# Altium PCB Stabilizer.PCBDOC (part 7 of 8)
Units mil, origin at the board's own origin, x right, y up, seen from the top; angles counter-clockwise.
Board outline 6397 x 3937 mil, 4 copper layers (Top, GP1(GND), L3, Bot), stack 64.883 mil thick; 687 components, 419 nets, 2137 pads, 1042 vias.
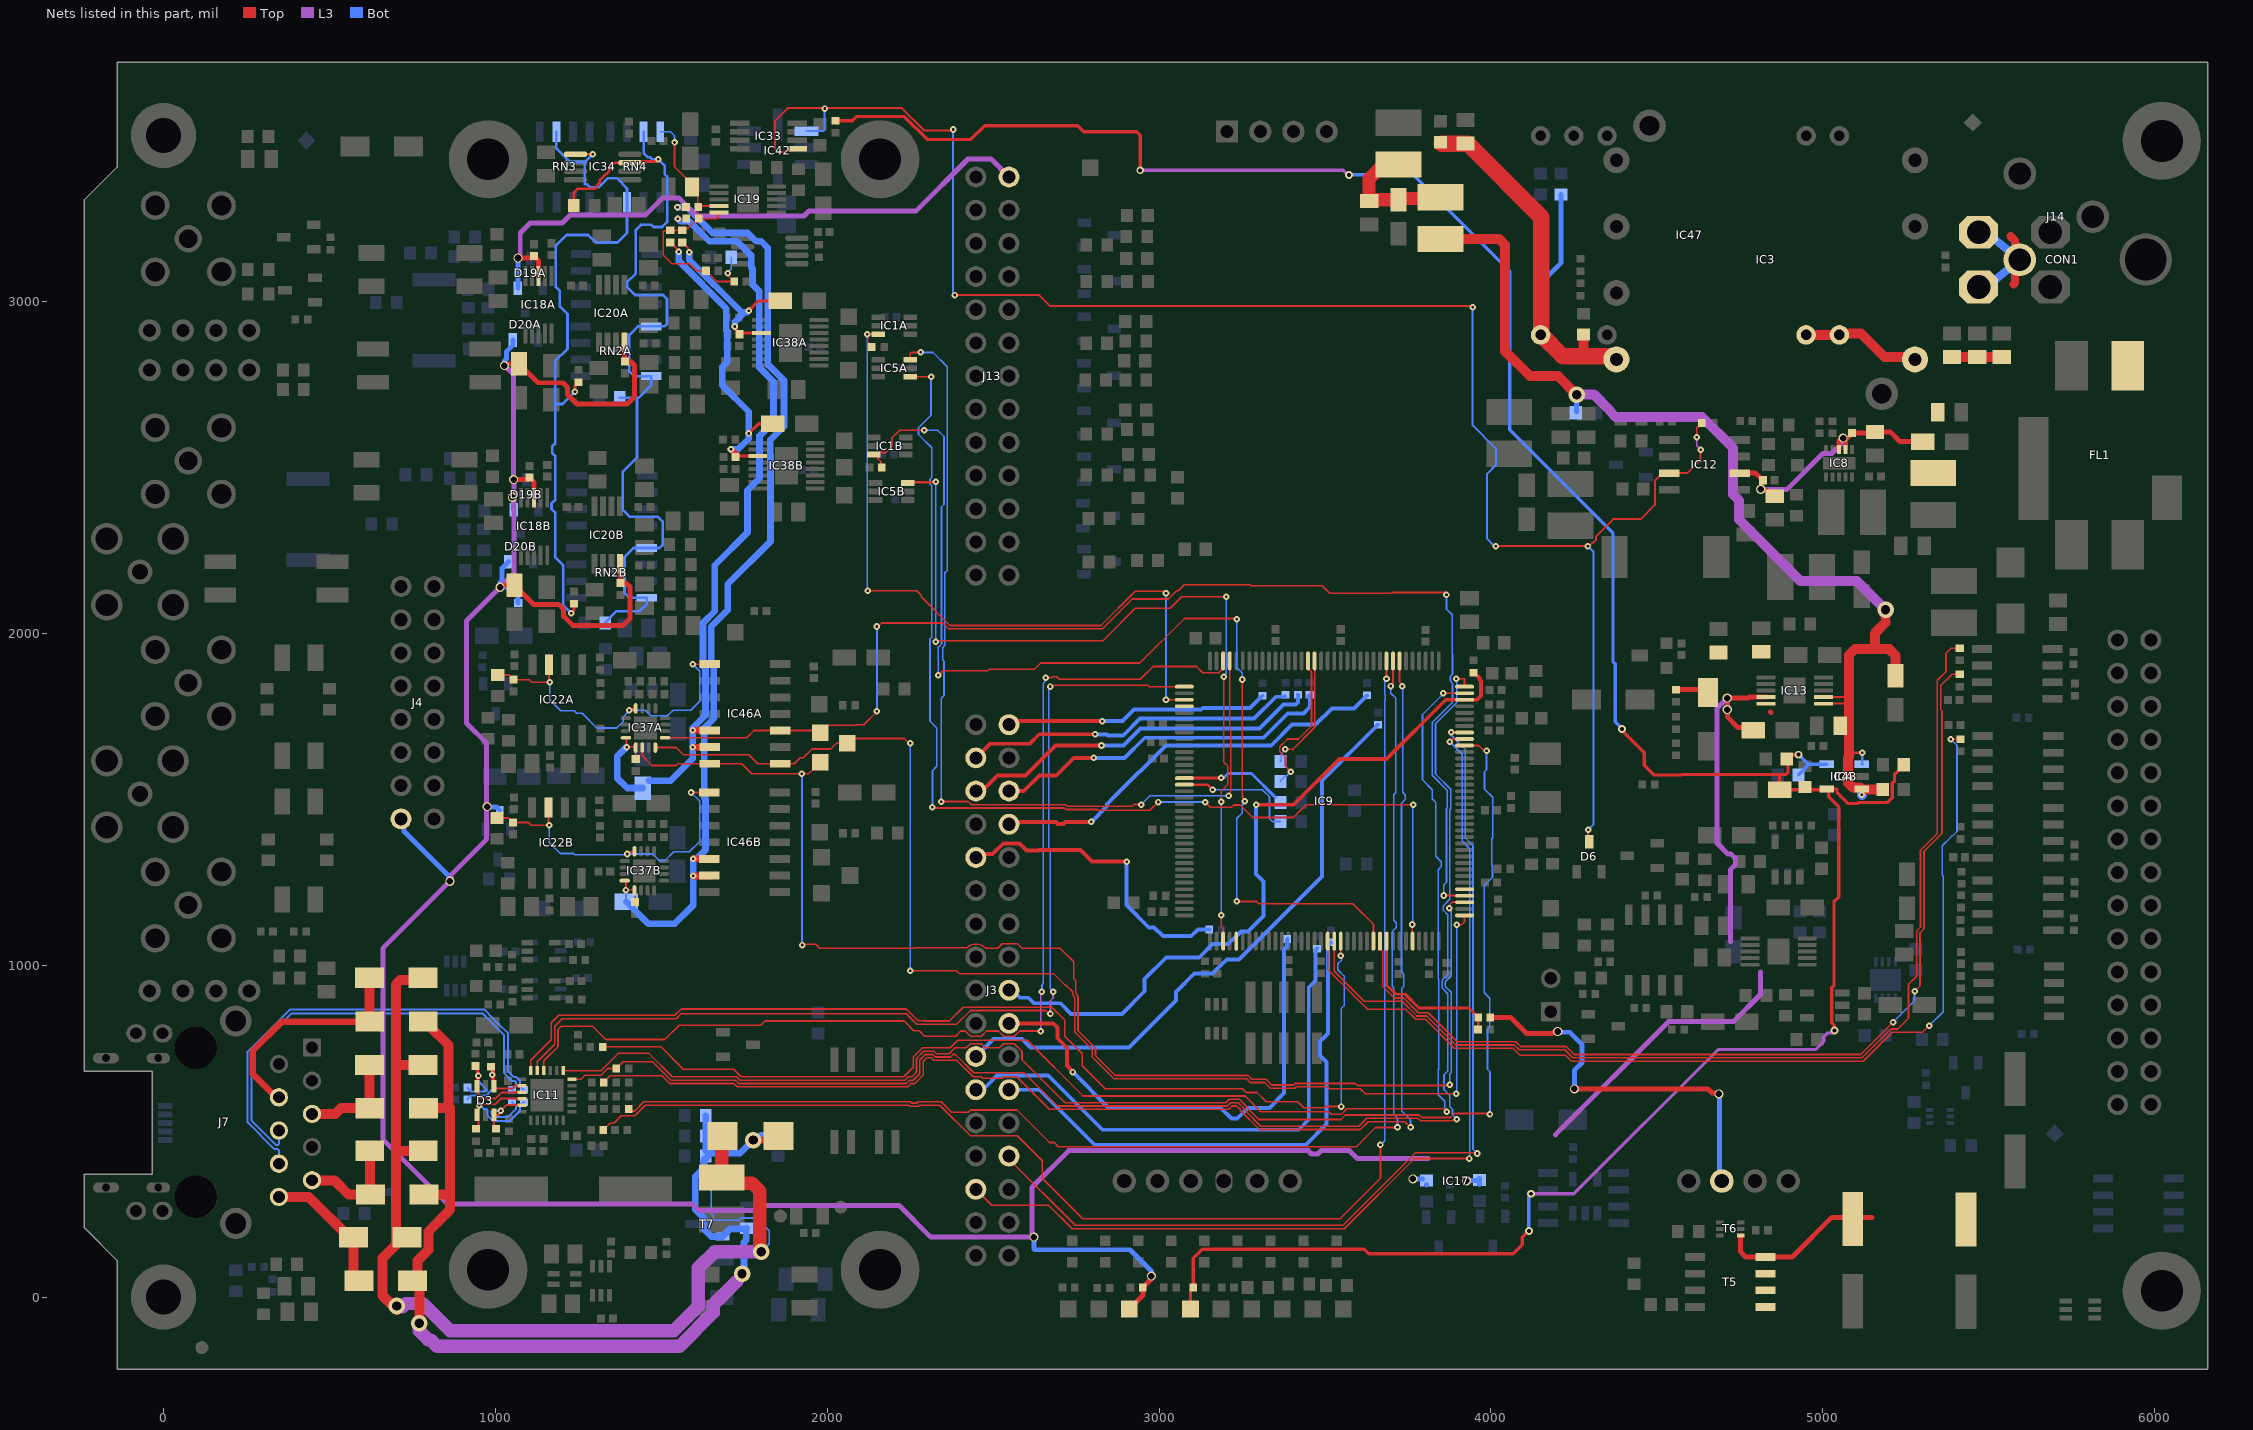
[diagram p9: the nets of this part, all layers, seen from the top]

## Via types
v1: diameter 19.68, hole 7.87, Top to Bot, tented both sides, 826 vias
v2: diameter 27.56, hole 19.68, Top to Bot, tented both sides, 83 vias
v3: diameter 19.68, hole 7.87, Top to Bot, 49 vias
v4: diameter 23.62, hole 11.81, Top to Bot, tented both sides, 41 vias
v5: diameter 50, hole 28, Top to Bot, tented both sides, 37 vias
v6: diameter 25.98, hole 12.99, Top to Bot, tented both sides, 5 vias
v7: diameter 39.37, hole 23.62, Top to Bot, tented both sides, 1 vias

## Nets (pads, with @x,y where several pads share a name; then routed paths per layer and width w, separated by ;. In a path a pad name is that pad's centre, name@x,y a point inside that pad or via, vN(x,y) a via of type N, cw(c..) or ccw(c..) an arc to the next point about the centre after c; other vN are vias at no path point) (continued)
P12V0A: C51.1 C62.2 C127A.1 C127B.1 C128A.2 C128B.2 C132A.2 C132B.2 C157.2 D8.1 D19A.2 D19B.2 D20A.2 D20B.2 IC13.9 IC13.10 IC18A.8 IC18B.8 IC20A.8 IC20B.8 J4.15 J13.25 L2A.1 L2B.1 R21.2 R70.2 R71.2 R103.2 TP21.1 | length 12681
  Top w15: v2(1014.2,2138.89) 1019.67,2144.36 C127B.1@1057.91,2144.36 1115.16,2087.11 1190.78,2087.11 1206.03,2071.86 1206.03,2051.28 1234.31,2023 1383.98,2023 1406.14,2045.16 1406.14,2139.31 1394.2,2151.25 C132B.2@1377.04,2151.25 1375.57,2152.72 IC20B.8@1375.57,2209.61 ; v2(1027.37,2806.79) 1032.84,2812.26 C127A.1@1071.08,2812.26 1128.32,2755.01 1203.95,2755.01 1217.58,2741.38 1217.58,2719.19 1245.86,2690.9 1397.15,2690.9 1419.31,2713.06 1419.31,2807.21 1407.37,2819.15 C132A.2@1390.2,2819.15 1388.73,2820.62 IC20A.8@1388.73,2877.51 ; v2(1055.06,2463) 1096.79,2463 C128B.2@1102.79,2469 1116.96,2454.83 IC18B.8@1116.96,2408.77 ; v2(1068.22,3130.9) 1109.96,3130.9 C128A.2@1115.96,3136.9 1130.13,3122.73 IC18A.8@1130.13,3076.67 ; TP21.1@2910.39,-36.02 2910.39,-35.82 2950.89,4.68 R21.2@2950.89,29.06 2977,55.18 v2(2977,63) ; R103.2@4558,1830.38 4644.77,1830.38 D8.1@4653.69,1821.46 ; C51.1@4806.53,1715.9 4744.29,1715.9 4712,1748.2 v2(4712,1770) v2(4712,1805) 4776.48,1805 4779.02,1807.54 IC13.9@4828.14,1807.54 ; 4841.96,1763 4844.12,1760.84
  L3 w15: v2(863,1253) 661,1051 661,475.68 856.6,280.08 1593.08,280.08 1611.77,261.39 1791.39,261.39 1806,276 2217,276 2312.26,180.74 v2@2617,180.74 ; v2@866,1253 866,1271.26 974,1379.26 974,1668.51 913,1729.51 913,2037.69 v2(1014.2,2138.89) 1056.24,2180.93 1056.24,2461.82 v2(1055.06,2463) 1055.06,2779.1 v2(1027.37,2806.79) ; v2(1068.22,3130.9) 1068.22,3134.3 1075,3141.08 1075,3206.37 1104.63,3236 1200.89,3236 1224.89,3260 1452.12,3260 1503.12,3311 1553.81,3311 1607.16,3257.66 1929.91,3257.66 1945.25,3273 2268,3273 2424,3429 2493.92,3429 J13.25@2547.79,3375.12 ; v2(2622.63,180.74) v2@2617,180.74 ; 3811.86,416.9 3597.6,416.9 3573.5,441 3487.67,441 3477.8,431.14 3459.3,431.14 3449.43,441 2727.3,441 2617,330.7 v2@2617,180.74 ; 4194,489 4535.08,830.08 4730.31,830.08 4811.91,911.68 4811.91,979.83 ; v2(4712,1805) 4681,1774 4681,1368 4714.3,1334.7 4723.52,1334.7 4736.61,1321.61 4736.61,1303.1 4721,1287.49 4721,1070.74
  Bot w15: J4.15@715.52,1440.88 724.5,1431.89 724.5,1403.5 860.6,1267.4 860.6,1253.82 863,1251.42 v2(863,1253) ; v2(975,1478) 976,1477 1003.36,1477 L2B.1@1013.03,1467.33 ; v2(1027.37,2806.79) 1027.37,2820.68 1032.99,2826.31 1032.99,2848.51 1052.65,2868.18 D20A.2@1052.65,2883.75 ; D20B.2@1039.48,2215.85 1019.82,2196.19 1019.82,2158.4 1014.2,2152.78 v2(1014.2,2138.89) 1052.55,2138.89 1068.94,2122.5 L2A.1@1068.94,2091.83 ; v2(1051.22,2409.95) 1055.06,2406.11 D19B.2@1055.06,2371.96 ; D19A.2@1068.22,3039.86 v2(1068.22,3130.9) ; v2(2622.63,180.74) 2622.63,145.19 2625.22,142.6 2912.4,142.6 2977,78 v2(2977,63) ; v2(3764.48,356.06) R71.2@3794.27,356.06 ; R71.2@3805.06,337.88 R71.2@3805.95,338.77 ; v2(3925.88,350.66) 3958.66,350.66 3965.77,357.77 3965.77,339.84 R70.2@3965.54,339.6
P12V0F: CON1.3 CON1.4 FL1.1 J14.3 | length 464.7
  Top w25: 5565.65,3196.43 5578.89,3183.2 5578.89,3139.57 J14.3@5592.94,3125.52 5578.89,3111.47 5578.89,3055.88 5574.35,3051.34
  Bot w25: CON1.4@5469.09,3043.49 5515.65,3062.92 J14.3@5592.94,3125.52 5515.65,3189.42 CON1.3@5469.09,3208.85
P12V0FIL: C32.2 C34.2 C36.2 C39.2 C49.1 C63.2 C64.2 C93.2 C123.2 IC3.1 IC8.2 IC8.3 IC12.2 IC47.22 IC47.23 L6.2 | length 1325.6
  Top w15: IC12.2@4749.71,2482.53 4797.47,2482.53 C93.2@4817,2463 ; C93.2@4819.28,2461.15 4815.08,2456.95 4815.08,2436.43 v2(4812.68,2434.03) 4815.08,2431.62 4827.46,2431.62 4833.28,2425.81 4842.26,2425.81 C123.2@4855.43,2412.64 ; IC8.3@5048.98,2553.77 5048.98,2580.58 5061,2592.6 v2(5061,2588.4) v2@5068.66,2580.74 ; IC8.2@5068.66,2553.77 v2@5068.66,2580.74 ; C49.1@5300.94,2577.33 5232.2,2577.33 5202.61,2606.92 C64.2@5157.24,2606.92 5153.31,2602.98 C63.2@5088.35,2602.98 5068.66,2583.3 v2@5068.66,2580.74
  Top w30: IC47.22@4949.63,2899.04 IC47.23@5049.63,2899.04 5053.57,2902.98 5114.98,2902.98 5185.24,2832.72 5270.36,2832.72 IC3.1@5277.72,2825.36 ; C32.2@5389.18,2832.43 C36.2@5465.36,2832.43 C39.2@5538.79,2832.43
  L3 w15: v2(4812.68,2434.03) 4892.21,2434.03 4999.75,2541.56 5026.93,2541.56 v2@5066.38,2581.02
P12V0POE: C90.1 C96.1 IC17.8 R190.2 T5.5 T5.6 T5.7 T5.8 T6.4 | length 1666.6
  Top w15: R190.2@3998.34,842.79 4058.83,842.79 4106.82,794.79 4183.5,794.79 4186.5,797.79 4198.69,797.79 v2(4201.09,800.2) ; v2(4251.27,627.28) 4653.95,627.28 4666.51,614.72 4684.38,614.72 v2(4686.78,612.32) ; T6.4@4752.05,185.58 4752.05,136.95 4768.6,120.4 T5.8@4827.24,120.4 4907.08,120.4 5026.88,240.2 5147.4,240.2
  Bot w15: v2(4201.09,800.2) 4203.34,797.94 4237.37,797.94 4274.82,760.49 4274.82,706.78 4251.27,683.23 v2(4251.27,627.28) ; v2(4686.78,612.32) 4689.18,609.91 4689.18,356.06 IC17.8@4695.67,349.57
P13V0: C13.2 C29.2 C77.1 C117.2 IC4.1 IC13.1 IC13.2 IC43.1 IC43.3 L11.2 | length 3246.3
  Top w6: IC13.1@5001.37,1787.85 5066.43,1787.85 5078.82,1800.24 5071.52,1807.54 IC13.2@5001.37,1807.54
  Top w8: 5076.86,1889.97 5078.82,1891.93 ; 5078.82,1646.47 5084.97,1640.31 v1(5118.18,1640.31)
  Top w30: L11.2@3848.19,3187.94 4024.92,3187.94 4042.49,3170.37 4042.49,2849.65 4117.15,2775 4202,2775 v5(4258,2719) ; C117.2@5180.54,1528.89 5119.52,1528.89 IC4.1@5117.55,1530.86 5113.38,1535.04 5090.01,1535.04 5075.9,1549.15 5075.9,1624.78 5078.82,1627.7 5078.82,1646.47 5078.82,1800.24 5078.82,1891.93 5078.82,1934.72 5096.39,1952.3 5156.5,1952.3 ; 5189,2032.76 5156.5,2000.26 5156.5,1952.3 ; v5@5189,2048.55 v5@5189,2059.77 ; 5200.05,1952.3 5156.5,1952.3 ; 5200.23,1952.12 5219,1933.35 C77.1@5219,1872.18
  L3 w30: v5(4258,2719) 4311,2719 4358.16,2671.84 4358.16,2669.64 4375.64,2652.16 4636.08,2652.16 4729.38,2558.86 4729.38,2418.35 4747,2400.73 4747,2342.71 4932.71,2157 5103,2157 v5(5189,2071)
  Bot w5: C29.2@4255.05,2664.55 C29.2@4258,2667.5
  Bot w8: IC43.1@5117.55,1605.67 5118.18,1606.3 v1(5118.18,1640.31)
  Bot w15: C29.2@4258,2667.5 v5(4258,2719)
  Bot w30: v1(5117.55,1513) IC43.3@5117.55,1530.86
P13V0FIL: C27.2 C28.1 L10.2 L11.1 | length 391.5
  Top w40: C28.1@3721.17,3306.62 3643.57,3306.62 3639.63,3302.69 C27.2@3632.74,3302.69 3632.74,3369.77 3664.4,3401.43 3710.02,3401.43 L10.2@3721.17,3412.57 ; C28.1@3722.49,3307.95 3724.82,3310.27 3844.54,3310.27 L11.1@3848.19,3313.93
P13V0S: C26.2 IC3.7 IC47.14 L20.1 R7.2 R226.2 | length 1514.4
  Top w30: 4152,2944.42 4153.16,2943.26 ; 4279.29,2834.93 R7.2@4279.29,2900.17
  Top w50: L20.1@3852.13,3475.57 C26.2@3922.99,3475.57 ; C26.2@3929.83,3475.57 4152,3253.4 4152,2944.42 4151.37,2943.78 4151.37,2900.78 IC47.14@4149.63,2899.04 4152.08,2899.04 4216.2,2834.93 4279.29,2834.93 4360.37,2834.93 4369.94,2825.36 IC3.7@4377.72,2825.36
  Bot w15: IC47.14@4149.63,2899.04 4149.63,3054.75 4210.39,3115.51 R226.2@4210.39,3322.37
PA0/UART4_TX: IC9.34 J3.18 R207.2 | length 2177.1
  Top w11.73: v1(3292.48,1483.3) 3405.48,1483.3 3543.55,1621.36 3685.3,1621.36 3863.74,1799.81 IC9.34@3920.4,1799.81 ; IC9.34@3920.4,1799.81 3958.01,1799.83 3970.06,1811.87 3970.06,1855.9 3965.09,1860.86 3965.09,1865.08 3948.6,1881.58 R207.2@3947.81,1881.58
  Bot w11.73: J3.18@2547.8,924.73 2557.57,924.73 2580.3,902 2606.41,902 2623.17,885.24 2702.67,885.24 2734.59,853.32 2888.36,853.32 2956.47,921.43 2956.47,957.94 3021.54,1023 3120.83,1023 3161.17,1063.34 3208.35,1063.34 3246.52,1101.51 3268.1,1101.51 3314.37,1147.78 3314.37,1252.36 3292.48,1274.25 v1(3292.48,1483.3)
PC2_ADC3_IN1_N: IC9.28 J3.29 | length 2956.9
  Top w5: J3.29@2447.8,324.73 2495.53,277 2666.98,277 2737.98,206 3558.08,206 3769.48,417.4 v1(3934.8,417.4) ; v1(3875.74,1672.76) 3884.68,1681.7 IC9.28@3920.4,1681.7
  Bot w5: v1@3873.41,1675.48 v1@3875.74,1673.15 ; v1(3875.74,1672.76) v1@3875.74,1673.15 ; v1(3934.8,417.4) 3935.87,418.47 3935.87,1351.26 3912.95,1374.18 3912.95,1635.93 v1@3875.74,1673.15
PC3_ADC3_IN1_P: IC9.29 J3.28 | length 2936.1
  Top w5: J3.28@2547.8,424.73 2547.8,415.7 2747.5,216 3553.93,216 3772.68,434.74 3956.65,434.74 v1(3958.78,432.61) ; v1(3879.93,1701.38) IC9.29@3920.4,1701.38
  Bot w5: v1(3879.93,1701.38) 3879.93,1693.1 3922.95,1650.07 3922.95,1383.23 3945.92,1360.27 3945.92,445.47 v1(3958.78,432.61)
PHY_RD_N: D3.1 IC11.22 R40.2 R222.1 | length 433.9
  Top w6: R40.2@939.81,506.99 941.4,506.99 949.82,515.4 D3.1@949.82,550 ; D3.1@942.41,550 D3.1@949.82,550 ; D3.1@951,560.59 v1@951,576 ; v1(951,578) v1@951,576 ; IC11.22@1080.68,597.78 1016.37,597.78 999.59,581 956,581 v1@951,576 ; D3.1@949.82,550 949.82,560.6 950.36,561.15 950.36,575.36 v1@951,576
  Bot w6: v1(951,578) 954.7,578 965.45,567.25 972.02,567.25 976.26,563.01 976.26,547.69 993.65,530.31 1042.76,530.31 1074.32,561.87 1074.32,576.34 1085.24,587.25 R222.1@1086.03,587.25
PHY_RD_P: D3.3 IC11.23 R41.2 R221.1 | length 294
  Top w6: R41.2@1001.62,507.36 1000.83,507.36 995.64,512.56 D3.3@995.64,548.94 1010.52,548.94 1010.52,551.92 1016.05,557.45 v1(1016.05,561.15) 1033,578.1 IC11.23@1080.68,578.1
  Bot w6: v1(1016.05,561.15) 991.78,561.15 988.26,557.63 988.26,552.66 998.62,542.31 1037.79,542.31 1062.32,566.84 1062.32,576.34 1051.41,587.25 R221.1@1050.62,587.25
PHY_TD_N: D3.4 IC11.20 R37.1 R220.1 | length 368.9
  Top w6: R37.1@994.12,701.77 R37.1@986.61,694.26 987.22,694.26 R37.1@994.84,686.65 ; D3.4@995.64,635.56 995.64,685.84 R37.1@994.84,686.65 ; IC11.20@1080.68,637.15 1059.13,637.15 1049.98,628 994.38,628 989.73,623.35 989.73,669.73 v1(990.46,670.46) 990.46,682.27 R37.1@994.84,686.65
  Bot w6: R220.1@915.97,595 915.97,595.79 927.3,607.12 972.41,607.12 988,622.71 988,624 992,628 v1@992,670.46
PHY_TD_P: D3.6 IC11.21 R36.1 R199.1 | length 418.1
  Top w6: R36.1@939.81,696.3 944.46,691.65 v1@944.46,666.7 ; D3.6@944.46,635.56 D3.6@944.46,649.87 ; R36.1@944.83,687.72 949.16,683.39 v1(949.16,666.7) ; IC11.21@1080.68,617.47 1056.42,617.47 1054.95,616 1018.09,616 1001.09,599 955,599 949.16,604.84 D3.6@949.16,651 ; D3.6@944.46,649.87 v1@944.46,666.7 ; D3.6@944.46,649.87 945.33,649 948.24,651.91 D3.6@949.16,651 ; v1@944.46,666.7 v1(949.16,666.7) ; D3.6@949.16,651 v1(949.16,666.7)
  Bot w6: R199.1@915.97,631.25 915.97,630.46 927.3,619.12 967.44,619.12 973,624.69 973,626.16 947.79,651.37 947.79,665.33 v1(949.16,666.7)
POE_IN1: D7.2 D13.1 J7.7 | length 699.6
  Top w20: J7.7@347.8,601.91 339,601.91 268.9,672.02 268.9,742.18 356.81,830.09 D13.1@621.66,830.09
  Top w30: D7.2@620.9,962.13 620.9,830.85 D13.1@621.66,830.09
POE_IN2: D10.2 D14.1 J7.2 | length 326.3
  Top w30: J7.2@447.8,351.91 514.34,351.91 557.29,308.97 D14.1@623.83,308.97 621.66,311.14 D10.2@621.66,440.52
POE_IN3: D11.2 D15.1 J7.6 | length 311.5
  Top w30: J7.6@447.8,551.91 517.74,551.91 534.85,569.02 D15.1@621.86,569.02 620.9,569.99 D11.2@620.9,698.95
POE_IN4: D12.2 D16.1 J7.1 | length 413.6
  Top w30: J7.1@347.8,301.91 437.77,301.91 559.69,180 D12.2@572.48,180 572.48,64.51 588,49 D16.1@589,49
PoE_SRC_Status: IC9.136 R190.1 R191.2 | length 486.4
  Top w8: IC9.136@3685.16,1072.45 3685.16,940.44 3713.16,912.44 3741.66,912.44 3783.3,870.81 3933.32,870.81 3953.13,851 3953.91,851 3961.33,843.58 R190.1@3961.33,842.79 3961.1,842.56 3961.1,805.92 R191.2@3960.86,805.69
POE_VC+: D7.1 D10.1 D11.1 D12.1 D24.1 L19.1 R140.2 | length 3480.9
  Top w15: 712.93,955.07 720,962.13 D7.1@782.32,962.13
  Top w30: v5(703,-27) 703,-38.52 660.48,4 660.48,117.79 700.42,157.73 D12.1@700.42,180 ; D12.1@733.9,180 D12.1@700.42,180 ; D11.1@782.31,698.95 700.42,698.95 ; D7.1@782.32,962.13 775.25,955.07 712.93,955.07 700.42,942.55 700.42,698.95 ; D10.1@783.08,440.52 700.42,440.52 ; D12.1@700.42,180 700.42,440.52 ; 700.42,440.52 700.42,698.95
  Top w40: D24.1@1684.32,485.56 1682,483.24 L19.1@1682,359.99 1698.71,343.28 1773.52,343.28 1796.96,319.85 v5@1796.96,156.28
  L3 w40: v5@720,-29.09 729.45,-19.64 782.06,-19.64 863.8,-101.38 1537.93,-101.38 1611.77,-27.54 1611.77,87.6 1660.57,136.41 v5(1800.91,136.41)
  Bot w5: R140.2@1656.5,354 1650.2,347.69 1650.2,295 1650.2,251.57 1656.11,245.66 1656.11,234.65 1659.04,231.72 1733.21,231.72 1739.88,238.4 1787.25,238.4 1825.49,200.16 1825.49,160.98 v5(1800.91,136.41)
POE_VC-: D13.2 D14.2 D15.2 D16.2 D24.2 R19.1 R29.1 R146.1 R166.1 R184.1 T7.2 | length 3218.6
  Top w15: 863.67,569.02 863.71,568.99
  Top w20: v5(1777,473) 1841.05,473 D24.2@1853.61,485.56
  Top w30: v5(770.8,-79.09) 770.8,46.98 766,51.79 778.72,64.51 766,64.51 766,110 798.42,142.41 798.42,198 863.71,263.29 863.71,568.99 858.47,574.23 858.47,759.15 798.42,819.2 D13.2@798.42,828 ; D15.2@783.28,569.02 863.67,569.02 ; D14.2@785.25,308.97 857.73,308.97
  L3 w40: v5(770.8,-79.09) 770.8,-101.8 798,-129 805.07,-129 824.07,-148 1554.95,-148 1656.77,-46.18 1656.77,-23.09 1727.81,47.95
  Bot w20: R29.1@1633.62,546.49 R19.1@1633.62,485.56 1633.62,441.47 R166.1@1641.5,433.59 ; v5(1743.45,70.58) 1749.19,76.32 1749.19,97.21 1749.28,97.3 1749.28,165.16 1755.63,171.5 R184.1@1755.63,206.13 ; R184.1@1757,207.5 R184.1@1755.63,206.13 ; R146.1@1851.31,487.5 1799.61,487.5 1785.12,473 v5(1777,473) 1737.59,433.59 R166.1@1641.5,433.59 ; R166.1@1641.5,433.59 1641.5,424.73 1632.8,416.03 1629.75,416.03 1628.76,415.05 1628.76,389.76 1602.13,363.13 1602.13,263.88 1619.47,246.54 1620.61,246.54 1629.39,237.76 1629.39,203.65 1650.71,182.33 T7.2@1684.28,182.33 1708.07,206.13 R184.1@1755.63,206.13
QSPI_CLK: J3.8 R12.1 | length 1239.5
  Top w11.73: J3.8@2554.08,1431.02 2688.98,1431.02 2694.31,1425.69 2711.46,1425.69 2717.78,1432 v1(2796,1432)
  Bot w11.73: v1(2796,1432) 2843.58,1479.59 2843.58,1485.72 2843.79,1485.93 2861.15,1503.29 2861.58,1503.29 3020.3,1662.01 3337.87,1662.01 3400.58,1724.73 3471.57,1724.73 3520.48,1773.64 3587.25,1773.64 3620.44,1806.84 3620.44,1807.63 3626,1813.18 R12.1@3626.78,1813.18
QSPI_IO0: J3.6 R186.2 | length 1048.5
  Top w11.73: J3.6@2547.8,1524.73 2592.22,1524.73 2639.49,1572 2689.99,1572 2742.72,1624.73 v1(2802.84,1624.73)
  Bot w11.73: v1(2802.84,1624.73) 2895.98,1624.73 2956.6,1685.35 3314.37,1685.35 3387.57,1758.55 3434.82,1758.55 3454,1777.73 R186.2@3454,1814.5 ; R186.2@3447.66,1808.16 R186.2@3447.66,1808.94
QSPI_IO1: J3.5 R187.2 | length 1103.4
  Top w11.73: J3.5@2447.8,1524.73 2461.67,1524.73 2472.3,1535.36 2476.36,1535.36 2513,1572 2597.31,1572 2687.32,1662.01 v1(2826.4,1662.01)
  Bot w11.73: v1(2826.4,1662.01) 2892.72,1662.01 2943.73,1713.02 3303.02,1713.02 3375,1785 3411.24,1785 3418.12,1791.87 R187.2@3418.12,1814.29
QSPI_IO2: J3.3 R188.2 | length 1012
  Top w11.73: J3.3@2447.8,1624.73 2490.16,1667.09 2609.85,1667.09 2638.75,1696 v1(2807,1696)
  Bot w11.73: v1(2807,1696) 2808,1695 2843,1695 2845.72,1692.28 2892.04,1692.28 2942.76,1743 3286,1743 3351.73,1808.73 3374.31,1808.73 3375.58,1810 R188.2@3380,1810
QSPI_IO3: J3.2 R189.2 | length 799.5
  Top w11.73: J3.2@2547.8,1724.73 2558.55,1735.49 v1(2829.16,1735.49)
  Bot w11.73: v1(2829.16,1735.49) 2889.49,1735.49 2923.96,1769.96 3126.82,1769.96 3131.78,1774.91 3273.91,1774.91 3305.66,1806.66 3305.66,1806.94 3310.72,1812 R189.2@3311,1812
QSPI_NCS: J3.9 R185.1 | length 923
  Top w11.73: J3.9@2447.8,1324.73 2457.61,1334.54 2479.48,1334.54 2480.3,1335.36 2498.52,1335.36 2530.25,1367.09 2579.26,1367.09 2600.33,1346.03 2637.6,1346.03 2638.63,1347.05 2763.11,1347.05 2797.98,1312.18 v1(2902.08,1312.18)
  Bot w11.73: v1(2902.08,1312.18) 2902.08,1180.83 2968.87,1114.03 2984.67,1114.03 3011.31,1087.4 3096.72,1087.4 3116.61,1107.29 R185.1@3151.38,1107.29
RD_N: J7.3 R222.2 | length 1445.2
  Bot w6: J7.3@347.8,401.91 347.8,442.4 344.28,445.91 334.34,445.91 253.87,526.39 253.87,739.38 381.4,866.92 966.27,866.92 992.78,840.4 1010.81,822.37 1038.75,794.43 1038.75,679.43 1042.99,675.19 1055.17,663.01 1063.78,663.01 1074.32,652.47 1074.32,635.18 1085.24,624.26 R222.2@1086.03,624.26
RD_P: J7.5 R221.2 | length 1385.5
  Bot w6: J7.5@347.8,501.91 347.8,461.43 344.28,457.91 339.31,457.91 265.87,531.36 265.87,734.41 386.37,854.92 961.3,854.92 980.78,835.43 998.08,818.13 1026.75,789.46 1026.75,674.46 1030.27,670.94 1050.2,651.01 1058.81,651.01 1062.32,647.49 1062.32,635.18 1051.41,624.26 R221.2@1050.62,624.26
REF_P1V7066: IC34.7 R72.2 R85A.1 R85B.1 RN2A.5 RN2A.8 RN2B.5 RN2B.8 RN4.7 | length 2656.8
  Top w8: R72.2@1236.56,3288.51 1236.56,3328.82 1246.82,3339.08 1298.03,3339.08 1307,3348.05 1307,3350.43 1315.02,3358.44 1315.02,3365.86 1333.67,3384.51 1334.62,3384.51 1342.75,3392.64 1342.75,3400.95 1359.68,3417.88 IC34.7@1405.13,3417.88 1409.09,3421.84 1486.2,3421.84 1490.58,3426.23 v1(1490.58,3428.54)
  L3 w8: v1@1488.18,3428.54 v1(1490.58,3428.54)
  Bot w8: R85B.1@1331.5,2031.23 1331.5,2033.2 1365.06,2066.76 1434.68,2066.76 1456.27,2088.36 RN2B.8@1456.27,2106.99 1403.95,2106.99 1389.2,2121.75 1389.2,2230.1 1416.1,2256.99 RN2B.5@1456.27,2256.99 1494.69,2256.99 1504,2266.3 1504,2337.63 1490.63,2351 1405.35,2351 1384.16,2372.2 1384.16,2487.16 1427,2530 1427,2709.97 ; R85A.1@1374.95,2709.97 1427,2709.97 ; RN4.7@1446.86,3511.38 1446.86,3446.71 1459.38,3434.19 1465.86,3434.19 1471.5,3428.54 v1(1490.58,3428.54) 1510.03,3409.1 1510.03,3384.49 1517.67,3376.84 1517.67,3239.02 1502.8,3224.16 1476.31,3224.16 1469.85,3230.61 1438.42,3230.61 1423.38,3215.57 1423.38,3084.76 1397.16,3058.54 1397.16,3042.93 1420.85,3019.24 1505.76,3019.24 1517,3008 1517,2932.48 1509.42,2924.9 RN2A.5@1469.44,2924.9 1429.26,2924.9 1403.81,2899.44 1403.81,2788.21 1417.12,2774.9 RN2A.8@1469.44,2774.9 1469.44,2747.18 1432.24,2709.97 1427,2709.97
REF_P2V048: IC34.1 R91A.1 R91B.1 RN3.6 RN4.3 | length 2156.6
  Top w8: v1(1228.37,2060.54) 1236.79,2068.96 R91B.1@1236.79,2088.89 ; v1(1239.92,2728.44) 1239.92,2746.75 R91A.1@1249.96,2756.79 ; IC34.1@1241.75,3443.47 1292.45,3443.47 v1(1292.93,3443)
  Bot w8: RN3.6@1183.89,3511.38 1183.89,3461.24 1225.2,3419.93 1269.85,3419.93 ; v1(1228.37,2060.54) 1204.16,2084.74 1204.16,2184.22 1204.16,2191.46 1204.16,2205.61 1180,2229.77 1180,2364.18 1168.99,2375.2 1168.99,2390.8 1180,2401.82 1180,2534.77 1171.22,2543.55 1171.22,2562.42 1180,2571.2 1180,2691.15 ; v1(1239.92,2728.44) 1202.63,2691.15 1180,2691.15 ; v1(1292.93,3443) 1269.85,3419.93 ; 1180,2691.15 1180,2819.82 1217.33,2857.15 1217.33,2859.36 1217.33,2961.84 1194.32,2984.85 1194.32,3030.93 1182.15,3043.1 1182.15,3167.86 1214.54,3200.24 1279.77,3200.24 1302.65,3177.36 1367.88,3177.36 1396.86,3206.34 RN4.3@1396.86,3298.79 1396.86,3340.71 1366.06,3371.51 1339.06,3371.51 1311.7,3344.16 1285.12,3344.16 1276.61,3352.67 1269.85,3352.67 1269.85,3419.93
REF_P4V096: C140.2 IC19.9 IC19.10 R22.1 R34.1 R94.1 R105.1 R106.1 R154.2 R156.1 RN4.8 | length 993.9